# Altium PCB STM32H743VIT6.PcbDoc (continued)
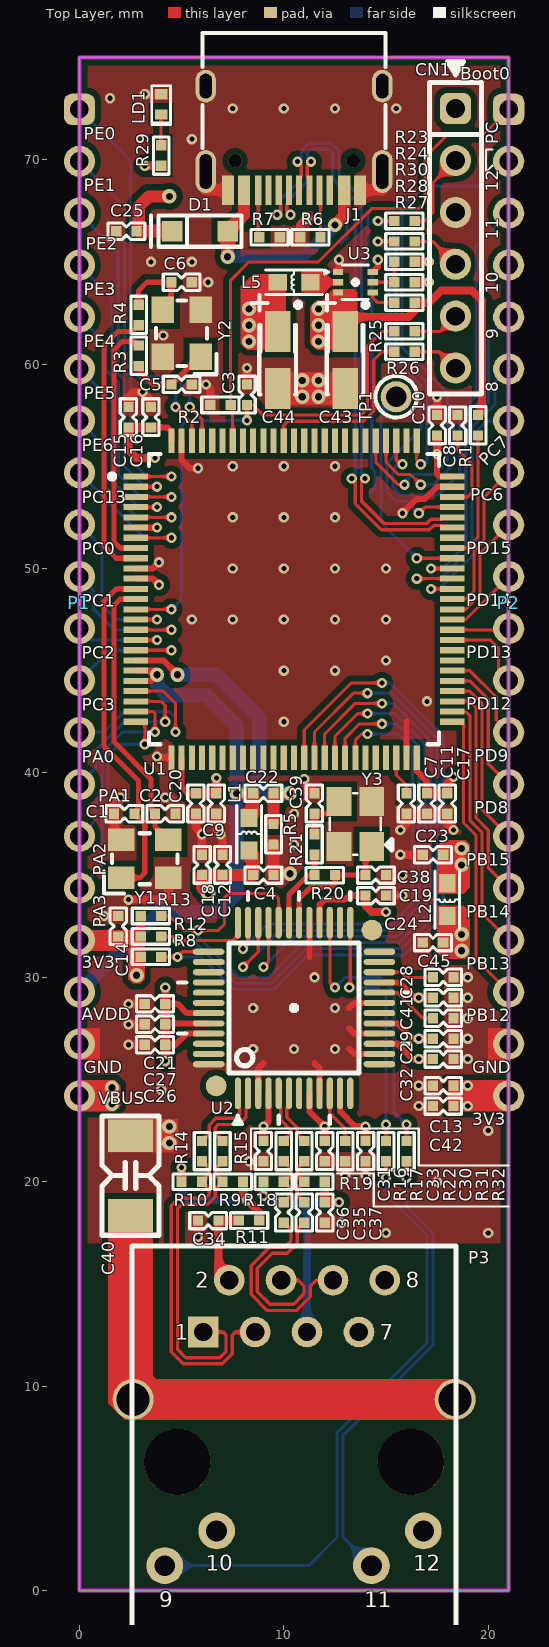
[diagram p0: Top Layer view]
## Nets (pads, with @x,y where several pads share a name; then routed paths per layer and width w, separated by ;. In a path a pad name is that pad's centre, name@x,y a point inside that pad or via, vN(x,y) a via of type N, cw(c..) or ccw(c..) an arc to the next point about the centre after c; other vN are vias at no path point)
3V3: C4.2 C9.1 C10.1 C11.1 C12.1 C13.1 C14.1 C15.1 C16.1 C17.1 C18.1 C19.1 C20.1 C21.1 C23.2 C26.1 C27.1 C42.1 C44.2 CN1.1 L1.1 L2.1 L5.2 P1.17 P2.20 P3.10 P3.12 R8.2 R12.1 R13.1 R28.2 R29.2 U1.6 U1.11 U1.27 U1.50 U1.75 U1.100 U2.28 U2.43 U2.44 U2.45 U3.6 | length 44.3
  Top Layer w0.3: U1.11 3.6,49.5 v1(3.9,49.2) ; U1.6 v1(3.8,52) ; C16.1 4.3,56.9 4.5,56.7 U1.100 ; C26.1 4.7,26.7 5.25,27.25 U2.45 ; C27.1 4.25,27.75 U2.44 ; C21.1 4.8,28.7 5.25,28.25 U2.43 ; U1.27 5,39.3 5.3,39 C20.1 ; U2.28 11.75,33.55 12,33.8 13,33.8 13.2,34 C19.1 ; U3.6 14.6,64.75 v1(14.6,65.1) ; U1.50 16.5,40.1 17,39.6 C11.1 ; v1(17.5,55.6) 17.5,54.6 17.6,54.5 U1.75
  Top Layer w0.4: R8.2 R12.1 R13.1 ; v1(3.2,69.7) R29.2 ; C16.1 C15.1 2.4,55.8 2.8,55.4 v1(3.7,55.4) ; v1(4.2,25.9) C26.1 C27.1 C21.1 v1(4.2,29.5) ; C20.1 C9.1 v1(6.7,39.753) ; C19.1 14,33.5 14.3,33.2 v1(15,33.2) ; R28.2 v1(17.1,64) ; C11.1 C17.1 18,39.5 v1(18.3,39.8) ; v1(17.5,55.6) C10.1
  Top Layer w0.6: v2(6.3,34.1) 6,34.4 C18.1 C12.1 C4.2 8.5,36 L1.1
  Bottom Layer w0.6: v1(19,23.7) v1(19,24.7)
  Bottom Layer w0.7: v2(18.7,35.5) v2(18.7,36.3)
  other v2: 2.8,30.1 8.3,61.1 8.3,61.9 8.3,62.7
3V3A: C24.2 C28.1 C29.1 C30.1 C31.1 C32.1 C33.1 L2.2 R9.2 R10.2 R11.1 U2.4 U2.8 U2.11 U2.15 U2.17 U2.21 | length 25.3
  Top Layer w0.3: v1(9,22.7) 9.25,22.95 U2.4 ; U2.8 11.25,23.45 v1(12,22.7) ; U2.11 12.75,23.45 13.5,22.7 v1(14,22.7) ; U2.15 15.55,26.75 16.3,26 v1(16.6,26) ; U2.17 15.55,27.75 16.3,27 v1(16.6,27) ; U2.21 15.65,29.75 16.4,29 v1(16.6,29)
  Top Layer w0.4: R10.2 v1(5,20.7) ; R9.2 8,19.3 v1(8.2,19.1) 8.8,18.5 R11.1 ; C31.1 v1(9,22.7) ; C33.1 v1(12,22.7) ; C30.1 v1(14,22.7) ; v1(16.6,26) C32.1 ; v1(16.6,27) C29.1 ; v1(16.6,29) C28.1
  Bottom Layer w0.4: v1(5,20.7) 5,19.5 5.4,19.1 v1(8.2,19.1)
  Bottom Layer w0.7: v2(18.7,31.3) v2(18.7,32.1)
ACTn: R32.2 U2.27 | length 14.2
  Top Layer w0.15: U2.27 12.25,29.75 v1(12.5,29.5) ; R32.2 v1(16,22.8)
  Bottom Layer w0.15: v1(12.5,29.5) 13,30 14.7,30 15.4,29.3 15.4,23.4 v1(16,22.8)
  other v1: 16,22.8
AGND: C22.2 R5.1 U1.19 | length 14.4
  Top Layer w0.3: U1.19 4.1,45.5 v2(4.8,44.8)
  Top Layer w0.6: R5.1@9.5,37.564 C22.2 v2(10.3,39)
  Bottom Layer w0.7: v2(4.8,44.8) 6.7,44.8 8.8,42.7 8.8,39.5 9.3,39 v2(10.3,39)
AVDD: C22.1 L1.2 P1.18 U1.20 U1.21 | length 27.5
  Top Layer w0.3: U1.21 3.5,44.5 v2(3.8,44.8) 3.6,45 U1.20
  Top Layer w0.6: v2(7.7,39) C22.1 8.5,38 L1.2
  Bottom Layer w0.7: P1.18 3.92,33.2 6.8,33.2 7.7,34.1 v2(7.7,39) 7.7,42.3 6.2,43.8 4.3,43.8 3.8,44.3 v2(3.8,44.8)
BOOT0: P2.1 R2.2 U1.94 | length 26.2
  Top Layer w0.15: U1.94 7.5,57.9 R2.2 7.4,58.25 7.4,64.1 8.3,65 11.7,65 14.3,67.6 16.6,67.6 16.9,67.9 16.9,70.1 18,71.2 19.74,71.2 P2.1
CHGND: C40.2 P3.S1 P3.S2 | length 15.8
  Top Layer w2: P3.S1 P3.S2
CSn: R13.2 U1.41 U2.32 | length 38.7
  Top Layer w0.15: R13.2 4.4,33 5.1,32.3 v1(5.8,32.3) 6.8,32.3 7.1,32.6 7.1,33.9 7.3,34.1 9.5,34.1 9.75,33.85 U2.32 ; U1.41 12,41.9 13.5,43.4 v1(14.8,43.4)
  Bottom Layer w0.15: v1(5.8,32.3) 5.8,32 7.8,30 9.263,30 10.963,31.7 15.651,31.7 17.2,33.249 17.2,41.551 15.351,43.4 v1(14.8,43.4)
GND: C1.1 C2.1 C3.2 C4.1 C5.2 C6.2 C7.2 C8.2 C9.2 C10.2 C11.2 C12.2 C13.2 C14.2 C15.2 C16.2 C17.2 C18.2 C19.2 C20.2 C21.2 C23.1 C24.1 C25.2 C26.2 C27.2 C28.2 C29.2 C30.2 C31.2 C32.2 C33.2 C34.1 C37.2 C38.1 C39.1 C40.1 C41.2 C42.2 C43.1 C44.1 C45.2 CN1.3 J1.1 J1.2 J1.3 J1.4 J1.A1 J1.A12 J1.B1 J1.B12 LD1.2 P1.19 P2.19 P3.8 R2.1 R5.2 R6.1 R7.1 R22.2 R30.1 U1.10 U1.26 U1.49 U1.74 U1.99 U2.3 U2.9 U2.14 U2.16 U2.19 U2.29 U2.48 U3.1 Y1.2 Y1.4 Y2.2 Y2.4 Y3.2 Y3.4 | length 83.6
  Top Layer w0.3: U1.10 3.6,50 v1(3.9,50.3) ; v1(3.8,40.8) 3.85,40.75 U1.26 ; U1.99 5,55.3 5.4,54.9 v1(5.8,54.9) ; U2.3 8.75,25.55 9,25.8 ; 11.25,31 U2.29 ; 11.5,25.8 11.75,25.55 U2.9 ; U3.1 12.7,64.55 v1(12.7,65.1) ; 13.2,26.5 13.45,26.25 U2.14 ; 13.2,27.5 13.45,27.25 U2.16 ; 13.2,28.5 13.45,28.75 U2.19 ; v1(15.8,52.7) 16.5,53.4 16.9,53.4 17.5,54 U1.74 ; U1.49 16,42.5
  Top Layer w0.4: v1(1.2,33) C14.2 ; v1(2,38.8) 1.7,38.5 C1.1 1.7,37.075 Y1.4 ; v1(2.4,27.7) C27.2 ; v1(2.4,28.7) C21.2 ; v1(2.4,33.8) 4.1,33.8 4.35,34.05 Y1.2 ; C15.2 2.4,58.4 2.633,58.633 v1(3.087,58.633) 3.5,58.221 C16.2 ; v1(3.2,73.2) LD1.2 ; v1@4.4,38.8 4.7,38.5 C2.1 ; C5.2 v1(6.2,59) 6.4,58.8 R2.1 ; C6.2 v1(6.3,64) ; C20.2 5.7,37.3 v1(6,37) C18.2 ; v1(5.8,17.3) C34.1 ; C9.2 6.7,37.2 v1(6.9,37) 7,36.9 C12.2 ; C3.2 v1(8.2,59.8) ; v1(8.3,21) C31.2 ; R7.1 R6.1 10.8,66.8 v1(11.1,67.1) ; v1(11,39.7) 11,39.5 C39.1 ; C37.2 v1(12.8,18) ; C33.2 R22.2 v1(13,20.3) ; v1(14,20.3) C30.2 ; C19.2 v1(15.8,34) ; C38.1 v1(15.8,35) ; v1(15.7,36) C23.1 ; v1(15.7,37.2) 16,37.5 C7.2 C11.2 C17.2 18,37.5 v1(18.3,37.2) ; R30.1 v1(17.1,65) ; v1(16.6,23.7) C42.2 ; v1(16.6,24.7) C13.2 ; v1(17.5,58.4) C10.2 C8.2 ; C32.2 v1(19,26) ; C29.2 v1(19,27) ; C41.2 v1(19,28) ; C28.2 v1(19,29) ; C45.2 v1(19,30) ; v1(2.4,26.7) C26.2 v1(2.4,26.7)
  Top Layer w0.5: J1.2 6.18,68.5 J1.A12 ; J1.B12 14.82,68.5 J1.3
  Top Layer w0.6: R5.2 9.5,35.064 v2(10.3,35.064)
  Bottom Layer w0.15: 12.778,67.522 13.1,67.2 13.1,66.2 12.8,65.9 ; 14.2,53.7 14.45,53.95 14.45,54.4 14.45,54.5 14.45,54.743 14.3,54.893 14.3,64.6 14.108,64.792 14.108,67.4 14.307,67.6 14.4,67.6
  other v1: 15,17.5 20,17.5 17.5,20 20,22.5 4,24.5 8.5,26.5 10.5,26.5 12.5,26.5 2.4,26.7 8.5,28.5 10.5,28.5 12.5,28.5 11.5,30 10.5,36.5 10.5,38 4.2,38.8 10,42.5 17,43.5 10,45 12.5,45 15,45.5 5.5,47.5 7.5,47.5 10,47.5 12.5,47.5 15,47.5 7.5,50 10,50 12.5,50 15,50 7.5,52.5 10,52.5 12.5,52.5 7.5,55 10,55 12.5,55 4.1,61.4 3.5,65 5.5,65 5.5,71 7.5,72.5 10,72.5 12.5,72.5 15.5,72.5 1.5,73
  other v2: 4.4,21.9 4.4,22.7 10.9,58.4 11.7,58.4 10.9,59.2 11.7,59.2
INTn: R12.2 U1.40 U2.36 | length 37.1
  Top Layer w0.15: R12.2 4.6,32 v1(4.8,31.8) 7.5,31.8 7.75,32.05 U2.36 ; U1.40 11.5,42 13.4,43.9 v1(14.1,43.9)
  Bottom Layer w0.15: v1(4.8,31.8) 5.576,31.8 7.676,29.7 9.387,29.7 11.087,31.4 15.776,31.4 17.5,33.124 17.5,41.676 15.276,43.9 v1(14.1,43.9)
LINKn: R31.2 U2.25 | length 12.3
  Top Layer w0.15: v1(13.2,29.5) 13.25,29.55 U2.25 ; R31.2 v1(15,22.8)
  Bottom Layer w0.15: v1(13.2,29.5) 14.6,29.5 15,29.1 v1(15,22.8)
MISO: U1.43 U2.34 | length 25.4
  Top Layer w0.15: v1(8,30.5) 8.75,31.25 U2.34 ; U1.43 13,41.7 13.7,42.4 v1(14.8,42.4)
  Bottom Layer w0.15: v1(8,30.5) 9.8,32.3 15.403,32.3 16.6,33.497 16.6,41.303 15.503,42.4 v1(14.8,42.4)
MOSI: U1.44 U2.35 | length 22.2
  Top Layer w0.15: v1(8,31.4) 8.25,31.65 U2.35 ; U1.44 13.5,41.6 13.8,41.9 v1(14.1,41.9)
  Bottom Layer w0.15: v1(8,31.4) 9.2,32.6 15.279,32.6 16.3,33.621 16.3,41.179 15.579,41.9 v1(14.1,41.9)
NetC5_1: C5.1 R3.1 Y2.1 | length 4.1
  Top Layer w0.25: R3.1 2.9,59.7 3.6,59 C5.1 5.85,60.35 Y2.1
NetC6_1: C6.1 R4.1 Y2.3 | length 4
  Top Layer w0.25: R4.1 2.9,63.6 3.3,64 C6.1 4.5,63.075 Y2.3
NetC7_1: C7.1 U1.48 | length 2
  Top Layer w0.15: U1.48 15.5,39.9 16,39.4 C7.1
NetC8_1: C8.1 U1.73 | length 4.1
  Top Layer w0.15: U1.73 19,53.5 19.2,53.7 19.2,55.1 18.5,55.8 C8.1
NetC34_2: C34.2 P3.2 R11.2 | length 4.1
  Top Layer w0.4: P3.2 6.8,15.715 C34.2 R11.2
NetC35_1: C35.1 R17.1 R19.2 | length 2.6
  Top Layer w0.165: C35.1 10.65,19.35 10.65,19.65 R19.2 10.95,20 10.65,20.3 10.65,20.65 R17.1
NetC35_2: C35.2 P3.4 | length 9.2
  Top Layer w0.165: P3.4 10.71,15.19 10.985,14.915 10.985,14.509 10.476,14 9.324,14 8.7,14.624 8.7,15.776 9.424,16.5 10.174,16.5 10.65,16.976 10.65,17.65 C35.2
NetC36_1: C36.1 R16.1 R18.2 | length 2.6
  Top Layer w0.165: C36.1 10.35,19.35 10.35,19.65 R18.2 10.05,20 10.35,20.3 10.35,20.65 R16.1
NetC36_2: C36.2 P3.6 | length 10.1
  Top Layer w0.165: C36.2 10.35,17.65 10.35,17.1 10.05,16.8 9.3,16.8 8.4,15.9 8.4,14.5 9.2,13.7 10.6,13.7 11.285,14.385 11.285,14.885 11.59,15.19 P3.6
NetC37_1: C37.1 P3.5 R18.1 R19.1 | length 12.6
  Top Layer w0.4: v1(9,19.3) R18.1 ; R19.1 C37.1 v1(12.7,19)
  Bottom Layer w0.4: v1(9,19.3) 9.3,19 11.135,19 ; P3.5 11.135,19 ; v1(12.7,19) 11.135,19
NetC39_2: C39.2 R21.1 Y3.3 | length 2.4
  Top Layer w0.25: R21.1 C39.2 12.1,38 Y3.3
NetC41_1: C41.1 U2.20 | length 3.1
  Top Layer w0.15: U2.20 15.55,29.25 16,28.8 16.8,28 C41.1
NetC45_1: C45.1 U2.22 | length 2.7
  Top Layer w0.15: U2.22 15.75,30.25 16,30 C45.1
NetCN1_2: CN1.2 R23.1 | length 4.1
  Top Layer w0.15: R23.1 16.9,67 17.3,67.4 17.3,68.86 CN1.2
NetCN1_4: CN1.4 R24.1 | length 2.5
  Top Layer w0.15: R24.1 17.28,66 CN1.4
NetCN1_5: CN1.5 R25.1 | length 2.3
  Top Layer w0.15: R25.1 17.66,61.6 CN1.5
NetCN1_6: CN1.6 R26.1 | length 2.3
  Top Layer w0.15: R26.1 17.6,60.6 CN1.6
NetD1_2: D1.2 J1.A4 J1.A9 J1.B4 J1.B9 | length 11.4
  Top Layer w0.6: v2(7.25,65.25) D1.2 8.05,67.3 J1.A9 ; v2(12.5,66.8) 12.95,67.25 J1.B9
  Bottom Layer w0.6: v2(7.25,65.25) 10.95,65.25 v2(12.5,66.8)
NetJ1_A5: J1.A5 R6.2 | length 2.3
  Top Layer w0.15: J1.A5 11.8,68.45 R6.2
NetJ1_B5: J1.B5 R7.2 | length 2.3
  Top Layer w0.15: J1.B5 8.75,66.25 R7.2
NetL5_1: L5.1 U3.2
NetLD1_1: LD1.1 R29.1 | length 1.5
  Top Layer w0.15: R29.1 LD1.1
NetP3_1: P3.1 R9.1 R15.1 | length 15.8
  Top Layer w0.165: P3.1 7.025,12.65 7.175,12.5 7.175,11.7 6.875,11.4 5.2,11.4 4.8,11.8 4.8,18.7 5,18.9 6.274,18.9 6.65,19.276 6.65,19.65 R9.1 6.65,20.35 6.65,20.65 R15.1
NetP3_3: P3.3 R10.1 R14.1 | length 16.8
  Top Layer w0.165: R14.1 6.35,20.65 6.35,20.35 R10.1 6.35,19.65 6.35,19.4 6.15,19.2 4.876,19.2 4.5,18.824 4.5,17.55 4.5,11.676 5.076,11.1 6.999,11.1 7.475,11.576 7.475,12.5 7.625,12.65 P3.3
NetP3_9: P3.9 R31.1 | length 30
  Top Layer w0.15: v1(15,20.2) R31.1
  Bottom Layer w0.15: P3.9 11.22,1.22 12.6,2.6 12.6,7.724 17,12.124 17,17.376 15,19.376 v1(15,20.2)
  other v1: 15,20.2
NetP3_11: P3.11 R32.1 | length 22.7
  Top Layer w0.15: v1(16,20.2) R32.1
  Bottom Layer w0.15: P3.11 12.9,2.605 12.9,7.6 17.3,12 17.3,17.5 16,18.8 v1(16,20.2)
  other v1: 16,20.2
NetR14_2: R14.2 U2.1 | length 3.7
  Top Layer w0.165: R14.2 6.35,22.35 6.35,22.774 6.676,23.1 7.676,23.1 7.85,23.274 7.85,23.6 7.75,23.7 U2.1
NetR15_2: R15.2 U2.2 | length 3.7
  Top Layer w0.165: R15.2 6.65,22.35 6.65,22.65 6.8,22.8 7.8,22.8 8.15,23.15 8.15,23.6 8.25,23.7 U2.2
NetR16_2: R16.2 U2.5 | length 2.7
  Top Layer w0.165: U2.5 9.75,23.7 9.85,23.6 9.85,23.026 10.35,22.526 10.35,22.35 R16.2
NetR17_2: R17.2 U2.6 | length 2.7
  Top Layer w0.165: U2.6 10.25,23.7 10.15,23.6 10.15,23.15 10.65,22.65 10.65,22.35 R17.2
NetR22_1: R22.1 U2.10 | length 2.6
  Top Layer w0.15: U2.10 12.25,23.35 13,22.6 R22.1
NetR27_2: R27.2 U3.4 | length 1.4
  Top Layer w0.15: U3.4 14.35,63.25 14.6,63 R27.2
NetR28_1: R28.1 R30.2 U3.5 | length 2.1
  Top Layer w0.15: U3.5 R28.1 R30.2
PA0: P1.13 U1.22 | length 9.2
  Top Layer w0.15: U1.22 4.1,44 4.7,43.4 v1(4.7,42)
  Bottom Layer w0.15: P1.13@0.337,42 1.2,42 2.2,43 4.4,43 4.7,42.7 v1(4.7,42)
PA1: P1.14 U1.23 | length 8.3
  Top Layer w0.15: U1.23 4,43.5 4.2,43.3 v1(4.2,42.5)
  Bottom Layer w0.15: P1.14 0.78,40.22 0.78,41.08 2.2,42.5 v1(4.2,42.5)
PA2: P1.15 U1.24 | length 9.4
  Top Layer w0.15: U1.24 3.6,43 3.7,42.9 v1(3.7,42)
  Bottom Layer w0.15: P1.15 0.8,37.7 0.8,38.7 1.1,39 1.1,40.976 2.124,42 v1(3.7,42)
PA3: P1.16 U1.25 | length 10.6
  Top Layer w0.15: U1.25 3.1,42.5 3.2,42.4 v1(3.2,41.4)
  Bottom Layer w0.15: P1.16 1.1,35.46 1.1,38.576 1.4,38.876 1.4,40.851 1.949,41.4 v1(3.2,41.4)
PA4: U1.28
PA5: U1.29
PA6: U1.30
PA7: U1.31
PA8: TP1.1 U1.67 | length 10.7
  Top Layer w0.15: v1(16.5,50.5) U1.67
  Bottom Layer w0.15: TP1.1 14.75,57.65 14.75,52.25 v1(16.5,50.5)
PA9: R1.2 U1.68 | length 6.4
  Top Layer w0.15: U1.68 18.96,51 19.5,51.54 19.5,53.1 19.5,55.9 R1.2
PA10: U1.69
PA11: J1.A7 J1.B7 U1.70 | length 31
  Top Layer w0.165: J1.A7 10.25,67.925 10.15,67.825 10.15,67.475 v1(10.325,67.3) ; J1.B7 11.25,69.075 11.15,69.175 11.15,69.725 v1(11.325,69.9) ; v1(13.325,54.4) 13.5,54.225 13.5,53.176 14.776,51.9 17.124,51.9 17.324,52.1 17.7,52.1 17.8,52 U1.70
  Bottom Layer w0.165: v1(10.325,67.3) 10.15,67.475 10.15,67.926 11.15,68.926 11.15,69.725 v1(11.325,69.9) 11.15,70.075 11.15,70.3 11.35,70.5 12.2,70.5 12.4,70.3 12.4,69.076 13.5,67.976 13.5,54.575 v1(13.325,54.4)
PA12: J1.A6 J1.B6 U1.71 | length 31.5
  Top Layer w0.165: v1(9.675,67.3) 9.85,67.475 9.85,67.825 9.75,67.925 J1.B6 ; v1(10.675,69.9) 10.85,69.725 10.85,69.175 10.75,69.075 J1.A6 ; v1(13.975,54.4) 13.8,54.225 13.8,53.3 14.9,52.2 17,52.2 17.2,52.4 17.7,52.4 17.8,52.5 U1.71
  Bottom Layer w0.165: v1(9.675,67.3) 9.85,67.475 9.85,68.05 10.85,69.05 10.85,69.725 v1(10.675,69.9) 10.85,70.075 10.85,70.424 11.226,70.8 12.324,70.8 12.7,70.424 12.7,69.2 13.8,68.1 13.8,54.575 v1(13.975,54.4)
PA13: R24.2 U1.72 | length 18.4
  Top Layer w0.15: v1(14.6,66) R24.2 ; v1(16.6,52.7) 16.9,53 U1.72
  Bottom Layer w0.15: v1(14.6,66) 15.176,65.424 15.176,60.5 16.7,58.976 16.7,56.8 15.05,55.15 15.05,54.374 15.05,53.75 15.5,53.3 16,53.3 v1(16.6,52.7)
PA14: R23.2 U1.76 | length 15.2
  Top Layer w0.15: v1(14.6,67) R23.2 ; U1.76 16.5,55.3 v1(16.7,55.1)
  Bottom Layer w0.15: v1(14.6,67) 15.476,66.124 15.476,60.624 17,59.1 17,55.2 16.9,55.1 v1(16.7,55.1)
PA15: U1.77
PB0: U1.34
PB1: U1.35
PB2: U1.36
PB3: R26.2 U1.89 | length 9.1
  Top Layer w0.15: U1.89 10,57 10.2,57.2 13.9,57.2 14.4,57.7 14.4,60.2 14.8,60.6 R26.2
PB4: U1.90
PB5: U1.91
PB6: U1.92
PB7: U1.93
PB8: U1.95
PB9: U1.96
PB10: U1.46
PB11: U1.47
PB12: P2.18 U1.51 | length 14.6
  Top Layer w0.15: U1.51 18.7,42.5 18.8,42.4 18.8,37.551 19.4,36.951 19.4,30.88 P2.18
PB13: P2.17 U1.52 | length 12.7
  Top Layer w0.15: U1.52 18.9,43 19.1,42.8 19.1,37.676 19.7,37.076 19.7,33.12 P2.17
PB14: P2.16 U1.53 | length 10.8
  Top Layer w0.15: U1.53 19.1,43.5 19.4,43.2 19.4,37.8 20,37.2 20,35.379 ; 20,35.36 P2.16
PB15: P2.15 U1.54 | length 8.7
  Top Layer w0.15: U1.54 19.1,44 19.7,43.4 19.7,38.2 P2.15
PC0: P1.9 U1.15 | length 8.4
  Top Layer w0.15: U1.15 v1(3.8,47.5)
  Bottom Layer w0.15: P1.9 1.1,51.04 1.1,48.2 1.8,47.5 v1(3.8,47.5)
PC1: P1.10 U1.16 | length 7.9
  Top Layer w0.15: U1.16 v1(4.5,47)
  Bottom Layer w0.15: P1.10 0.7,48.9 0.7,48 1.7,47 v1(4.5,47)
PC2: P1.11 U1.17 | length 5.1
  Top Layer w0.15: U1.17 v1(3.8,46.5)
  Bottom Layer w0.15: P1.11 0.56,46.5 v1(3.8,46.5)
PC3: P1.12 U1.18 | length 6.9
  Top Layer w0.15: U1.18 v1(4.5,46)
  Bottom Layer w0.15: P1.12 1.48,46 v1(4.5,46)
PC4: U1.32
PC5: U1.33
PC6: P2.8 U1.63 | length 7.7
  Top Layer w0.15: U1.63 18.9,48.5 19.3,48.9 19.3,50.877 19.8,51.377 19.8,53.48 20.31,53.99 P2.8
PC7: P2.7 U1.64 | length 11.7
  Top Layer w0.15: v1(17.2,49) U1.64
  Bottom Layer w0.15: v1(17.2,49) 17.6,49 19.5,50.9 19.5,56.776 19.944,57.22 P2.7
PC8: P2.6 U1.65 | length 14.6
  Top Layer w0.15: v1(16.5,49.5) U1.65
  Bottom Layer w0.15: v1(16.5,49.5) 17.676,49.5 19.2,51.024 19.2,56.9 20.32,58.02 20.32,59.08 P2.6
PC9: P2.5 U1.66 | length 15.2
  Top Layer w0.15: v1(17.2,50) U1.66
  Bottom Layer w0.15: v1(17.2,50) 17.751,50 18.9,51.149 18.9,57.024 20,58.124 20,61.3 P2.5
PC10: P2.4 U1.78 | length 17.8
  Top Layer w0.15: U1.78 15.5,55.3 15.7,55.1 v1(15.8,55.1)
  Bottom Layer w0.15: v1(15.8,55.1) 15.6,55.1 15.35,54.85 15.35,53.95 15.7,53.6 17.549,53.6 18.6,54.651 18.6,57.2 19.7,58.3 19.7,63.54 P2.4
PC11: P2.3 U1.79 | length 18.6
  Top Layer w0.15: U1.79 15,55.2 15.6,54.6 16.2,54.6 v1(16.7,54.1)
  Bottom Layer w0.15: v1(16.7,54.1) 17.3,54.1 18.3,55.1 18.3,57.324 19.4,58.424 19.4,65.78 P2.3
PC12: P2.2 U1.80 | length 25
  Top Layer w0.15: U1.80 14.5,55.2 15.6,54.1 v1(15.9,54.1)
  Bottom Layer w0.15: v1(15.9,54.1) 15.9,54.2 16.3,54.6 17.3,54.6 18,55.3 18,58.6 17.3,59.3 15.776,60.824 15.776,67.576 16.91,68.71 19.79,68.71 P2.2
PC13: P1.8 U1.7 | length 7.6
  Top Layer w0.15: U1.7 v1(4.5,51.5)
  Bottom Layer w0.15: P1.8 1,53.68 3.18,51.5 v1(4.5,51.5)
PC14: R3.2 U1.8 | length 12
  Top Layer w0.25: U1.8 2,51 1.7,51.3 1.7,60.7 2.1,61.1 2.7,61.1 R3.2
PC15: R4.2 U1.9 | length 13.7
  Top Layer w0.25: U1.9 1.8,50.5 1.2,51.1 1.2,60.907 1.893,61.6 2.6,61.6 R4.2
PD0: U1.81
PD1: U1.82
PD2: U1.83
PD3: U1.84
PD4: U1.85
PD5: U1.86
PD6: U1.87
PD7: U1.88
PD8: P2.14 U1.55 | length 6.7
  Top Layer w0.15: U1.55 19.1,44.5 20,43.6 20,40.44 P2.14
PD9: P2.13 U1.56 | length 4.7
  Top Layer w0.15: U1.56 19.1,45 20.39,43.71 20.39,42.59 P2.13
PD10: U1.57
PD11: U1.58
PD12: P2.12 U1.59 | length 4.2
  Top Layer w0.15: U1.59 20.1,46.5 20.5,46.1 20.5,45.02 P2.12
PD13: P2.11 U1.60 | length 2.4
  Top Layer w0.15: U1.60 P2.11@20.625,47
PD14: P2.10 U1.61 | length 3.6
  Top Layer w0.15: U1.61 18.9,47.5 19.1,47.7 19.9,48.5 P2.10
PD15: P2.9 U1.62 | length 5.7
  Top Layer w0.15: U1.62 18.9,48 19.6,48.7 19.6,50.74 P2.9
PE0: P1.1 U1.97 | length 19.5
  Top Layer w0.15: v1(5.4,57.9) 6,57.3 U1.97
  Bottom Layer w0.15: P1.1 2.5,69.96 2.5,60.2 3.3,59.4 4.6,59.4 5.4,58.6 v1(5.4,57.9)
PE1: P1.2 U1.98 | length 16.7
  Top Layer w0.15: v1(4.7,57.9) 5.5,57.1 U1.98
  Bottom Layer w0.15: P1.2 2.2,67.72 2.2,60.076 3.176,59.1 4.4,59.1 4.7,58.8 v1(4.7,57.9)
PE2: P1.3 U1.1 | length 17.2
  Top Layer w0.15: U1.1 v1(4.5,54.5)
  Bottom Layer w0.15: P1.3 1.9,65.48 1.9,59.951 2.5,59.351 2.5,55.3 3.3,54.5 v1(4.5,54.5)
PE3: P1.4 U1.2 | length 13.8
  Top Layer w0.15: U1.2 v1(3.8,54)
  Bottom Layer w0.15: P1.4 1.6,63.24 1.6,59.827 2.2,59.227 2.2,55 3.2,54 v1(3.8,54)
PE4: P1.5 U1.3 | length 13.3
  Top Layer w0.15: U1.3 v1(4.5,53.5)
  Bottom Layer w0.15: P1.5 1.3,61 1.3,59.703 1.9,59.103 1.9,54.6 3,53.5 v1(4.5,53.5)
PE5: P1.6 U1.4 | length 9.9
  Top Layer w0.15: U1.4 v1(3.8,53)
  Bottom Layer w0.15: P1.6 1,58.76 1.304,58.456 1.6,58.16 1.6,54.3 2.9,53 v1(3.8,53)
PE6: P1.7 U1.5 | length 9.3
  Top Layer w0.15: U1.5 v1(4.5,52.5)
  Bottom Layer w0.15: P1.7 1.3,55.92 1.3,54 2.8,52.5 v1(4.5,52.5)
PE7: U1.37
PE8: U1.38
PE9: R8.1 U1.39 U2.37 | length 36.6
  Top Layer w0.15: R8.1 v1(4.8,31) 5.05,31.25 U2.37 ; U1.39 11,42.1 13.3,44.4 v1(14.8,44.4)
  Bottom Layer w0.15: v1(4.8,31) 5.951,31 7.551,29.4 9.512,29.4 11.212,31.1 15.9,31.1 17.8,33 17.8,41.8 15.2,44.4 v1(14.8,44.4)
PE12: U1.42 U2.33 | length 25.9
  Top Layer w0.15: v1(9,30.5) 9.25,30.75 U2.33 ; U1.42 12.5,41.8 13.6,42.9 v1(14.1,42.9)
  Bottom Layer w0.15: v1(9,30.5) 10.5,32 15.527,32 16.9,33.373 16.9,41.427 15.427,42.9 v1(14.1,42.9)
PE15: U1.45
PH0: C1.2 U1.12 Y1.1 | length 17.3
  Top Layer w0.25: Y1.1 2.975,34.875 3.2,35.1 3.2,37.5 C1.2 2.9,38.2 2.9,39.6 1.2,41.3 1.2,48.4 1.8,49 U1.12
PH1: C2.2 U1.13 Y1.3 | length 13.7
  Top Layer w0.25: U1.13 2,48.5 1.7,48.2 1.7,41.507 3.5,39.707 3.5,38.2 C2.2 3.7,37.375 Y1.3
T_NRST: C3.1 R25.2 U1.14 | length 25.9
  Top Layer w0.15: U1.14 v1(4.5,48) ; v1(8.2,57.247) C3.1 8.5,58 9,57.5 13.776,57.5 14.1,57.824 14.1,60.9 14.8,61.6 R25.2
  Bottom Layer w0.15: v1(4.5,48) 5,48.5 5,57 5.247,57.247 v1(8.2,57.247)
VBUS: C25.1 C43.2 D1.1 P1.20 R1.1 R27.1 U3.3 | length 18.6
  Top Layer w0.4: C43.2 13,62.3 16.1,62.3 16.4,62.6 R27.1 17.1,63 17.7,63.6 19.2,63.6 19.7,63.1 19.7,59 19.7,57.7 R1.1
  Top Layer w0.6: v2(4.4,68.2) 3.4,68.2 2.9,67.7 2.9,66.5 D1.1
  other v2: 1.6,23.8 1.6,24.6 11.7,61.1 11.7,61.9 11.7,62.7
XI: C38.2 R20.1 U2.30 Y3.1 | length 6.7
  Top Layer w0.25: U2.30 10.75,33.85 11.3,34.4 12.3,34.4 12.5,34.6 R20.1 C38.2 14,36.1 Y3.1
XO: R20.2 R21.2 U2.31 | length 4
  Top Layer w0.25: U2.31 10.25,34.05 11.2,35 R20.2 R21.2
pads on no net: J1.0 J1.A8 J1.B8 P3.0 P3.7 U2.0 U2.7 U2.12 U2.13 U2.18 U2.23 U2.24 U2.26 U2.38 U2.39 U2.40 U2.41 U2.42 U2.46 U2.47

## Polygon pours and split planes (outlines as drawn)
GND on Bottom Layer "GND_L04_P001" (solid, remove dead copper, pour order 1): 0,17 21,17 21,75 0,75
GND on Top Layer "GND_L01_P000" (solid, remove dead copper, pour order 0): 0,17 21,17 21,75 0,75
3V3 on Internal Plane 2 (Vcc) (split plane): 20.49,0.51 0.51,0.51 0.51,22.749 2.3,22.749 2.339,22.754 2.376,22.769 2.407,22.793 2.431,22.824 2.446,22.861 2.451,22.9 2.451,31.849 5.9,31.849 5.939,31.854 5.976,31.869 6.007,31.893 6.031,31.924 6.046,31.961 6.051,32 6.051,39.2 6.046,39.239 6.031,39.276 6.007,39.307 5.976,39.331 5.939,39.346 5.9,39.351 3.551,39.351 3.551,59.7 6.5,59.7 6.5,63.249 10.849,63.249 10.849,60.3 10.854,60.261 10.869,60.224 10.893,60.193 10.924,60.169 10.961,60.154 11,60.149 12.8,60.149 12.839,60.154 12.876,60.169 12.907,60.193 12.931,60.224 12.946,60.261 12.951,60.3 12.951,66.9 12.946,66.939 12.935,66.965 12.931,66.976 12.907,67.007 12.876,67.031 12.865,67.035 12.839,67.046 12.8,67.051 12.761,67.046 12.739,67.037 12.724,67.031 12.693,67.007 12.637,66.951 5.151,66.951 5.151,68.8 5.146,68.839 5.131,68.876 5.107,68.907 5.076,68.931 5.039,68.946 5,68.951 0.51,68.951 0.51,74.49 20.49,74.49
3V3A on Internal Plane 2 (Vcc) (split plane): 19.049,30.751 17.3,30.751 17.261,30.746 17.224,30.731 17.193,30.707 17.169,30.676 17.154,30.639 17.149,30.6 17.149,18.751 7.651,18.751 7.651,23.249 14.4,23.249 14.439,23.254 14.476,23.269 14.507,23.293 14.531,23.324 14.546,23.361 14.551,23.4 14.551,32.549 19.049,32.549
VBUS on Internal Plane 2 (Vcc) (split plane): 4.849,66.8 4.854,66.761 4.869,66.724 4.893,66.693 4.924,66.669 4.961,66.654 5,66.649 12.649,66.649 12.649,60.451 11.151,60.451 11.151,63.4 11.146,63.439 11.131,63.476 11.107,63.507 11.076,63.531 11.039,63.546 11,63.551 3.4,63.551 3.361,63.546 3.324,63.531 3.293,63.507 3.269,63.476 3.254,63.439 3.249,63.4 3.249,39.2 3.254,39.161 3.269,39.124 3.293,39.093 3.324,39.069 3.361,39.054 3.4,39.049 5.749,39.049 5.749,32.151 2.3,32.151 2.261,32.146 2.224,32.131 2.193,32.107 2.169,32.076 2.154,32.039 2.149,32 2.149,23.051 0.51,23.051 0.51,68.649 4.849,68.649
GND on Internal Plane 1 (Gnd) (split plane): 20.49,0.51 0.51,0.51 0.51,74.49 20.49,74.49

## Keep-outs
Keep-Out Layer:
  the board outline again, w0.2
  text ".Layer_Name" at 9.398,80.5 h1.52

## Other copper
Top Layer:
  region net VBUS: 0,23.438 0,24.962 1.738,24.962 2,24.7 2,23.7 1.738,23.438
  region net GND: 0,25.978 0,27.502 1,27.502 1,25.978
  region net GND: 21,27.502 21,25.978 20,25.978 20,27.502
  region net GND: 1.4,23.05 4.8,23.05 4.8,21.45 1.4,21.45
  region net CHGND: 3.6,10.5 3.8,10.3 3.8,8.35 2.211,8.35 1.4,9.161 1.4,19.15 3.6,19.15
  region net 3V3: 21,24.962 21,23.438 18.05,23.438 18.05,24.962
  region net 3V3: 2.4,31.3 2.4,29.9 2.6,29.7 3,29.7 3.2,29.9 3.2,31.3 3.2,32.3 0,32.3 0,31.3
  region net 3V3: 18.9,36.7 19.1,36.5 19.1,34.4 18.8,34.1 17.5,34.1 17.5,36.4 17.8,36.7
  region net 3V3A: 18.9,30.9 19.1,31.1 19.1,33.2 18.8,33.5 17.5,33.5 17.5,31.2 17.8,30.9
  region net GND: 10,58 12.5,58 12.5,59.6 10,59.6
  region net NetL5_1: 12.9,63.85 12.35,63.85 11.9,63.4 11,63.4 10.855,63.545 10.855,64.455 11,64.6 11.9,64.6 12.35,64.15 12.9,64.15
  region net VBUS: 11.6,60.7 11.3,61 11.3,62.8 11.6,63.1 11.85,63.1 12.4,63.65 13.45,63.65 13.6,63.5 13.6,60.7
  region net 3V3: 8.2,60.7 7.9,61 7.9,63.8 8.5,64.4 10.1,64.4 10.1,60.7
  text ".Layer_Name" at 9.398,80.5 h1.52
Bottom Layer:
  pour cut-out: 15.5,53 16.1,53 16.1,52.4 15.5,52.4
  pour cut-out: 2.787,58.933 3.387,58.933 3.387,58.333 2.787,58.333
  pour cut-out: 3.6,50.6 4.2,50.6 4.2,50 3.6,50
  region net VBUS: 0,23.438 0,24.962 1.738,24.962 2,24.7 2,23.7 1.738,23.438
  region net GND: 21,27.502 21,25.978 20,25.978 20,27.502
  region net GND: 0,25.978 0,27.502 1,27.502 1,25.978
  region net 3V3: 8.2,60.7 7.9,61 7.9,62.8 8.2,63.1 8.4,63.1 8.7,62.8 8.7,61 8.4,60.7
  region net VBUS: 11.6,60.7 11.3,61 11.3,62.8 11.6,63.1 11.8,63.1 12.1,62.8 12.1,61 11.8,60.7
  text ".Layer_Name" at 9.398,80.5 h1.52
Internal Plane 1 (Gnd) (plane layer: these items are gaps in the copper):
  text ".Layer_Name" at 9.4,80.5 h1.52
Internal Plane 2 (Vcc) (plane layer: these items are gaps in the copper):
  pour cut-out: 6.5,63.3 3.5,63.3 3.5,59.7 6.5,59.7
  pour cut-out: 14.9,39.3 12.1,39.3 12.1,35.7 14.9,35.7
  pour cut-out: 5,34.3 5,37.3 1.4,37.3 1.4,34.3
  lines w0.3: 0,22.9 2.3,22.9 2.3,32 5.9,32 5.9,39.2 3.4,39.2 3.4,63.4 11,63.4 11,60.3 12.8,60.3 12.8,66.9 12.7,66.8 5,66.8 5,68.8 0,68.8 ; 7.5,18.6 17.3,18.6 17.3,30.6 19.2,30.6 19.2,32.7 14.4,32.7 14.4,23.4 7.5,23.4 7.5,18.6
  text ".Layer_Name" at 9.4,80.5 h1.52

## Silkscreen, mask and mechanical layers (free items; w line width, h text height)
Top Overlay:
  lines w0.1: 8.4,20.6 8.4,22.6 16.6,22.6 16.6,20.8 21,20.8 ; 12.6,20.4 14.4,20.4 14.4,18.8 21,18.8 ; 20.2,69.7 19.9,69.4 19.9,70.5 20.2,70.5
  text ".Layer_Name" at 9.398,80.532 h1.52
  text "Boot0" at 18.62,73.9 h0.6
  text "PE0" at 0.22,70.98 h0.6
  text "PC" at 20.5,70.76 h0.6 r90
  text "PE1" at 0.22,68.44 h0.6
  text "12" at 20.5,68.42 h0.6 r90
  text "11" at 20.5,66.08 h0.6 r90
  text "PE2" at 0.32,65.6 h0.6
  text "10" at 20.5,63.44 h0.6 r90
  text "PE3" at 0.22,63.36 h0.6
  text "9" at 20.5,61.2 h0.6 r90
  text "PE4" at 0.22,60.82 h0.6
  text "8" at 20.5,58.62 h0.6 r90
  text "PE5" at 0.22,58.28 h0.6
  text "PE6" at 0.12,55.74 h0.6
  text "PC7" at 19.897,54.973 h0.6 r45
  text "PC6" at 19.12,53.3 h0.6
  text "PC13" at 0.12,53.2 h0.6
  text "PD15" at 18.92,50.7 h0.6
  text "PC0" at 0.12,50.66 h0.6
  text "PD14" at 18.92,48.16 h0.6
  text "PC1" at 0.12,48.12 h0.6
  text "PD13" at 18.92,45.62 h0.6
  text "PC2" at 0.12,45.58 h0.6
  text "PD12" at 18.92,43.08 h0.6
  text "PC3" at 0.12,43.04 h0.6
  text "PD9" at 19.32,40.54 h0.6
  text "PA0" at 0.12,40.5 h0.6
  text "PA1" at 0.92,38.6 h0.6
  text "PD8" at 19.32,38 h0.6
  text "PB15" at 18.92,35.46 h0.6
  text "PA2" at 1.3,34.96 h0.6 r90
  text "PB14" at 18.92,32.92 h0.6
  text "PA3" at 1.3,32.42 h0.6 r90
  text "3V3" at 0.12,30.44 h0.6
  text "PB13" at 18.92,30.38 h0.6
  text "AVDD" at 0.12,27.9 h0.6
  text "PB12" at 18.92,27.84 h0.6
  text "GND" at 0.22,25.3 h0.6
  text "GND" at 19.22,25.3 h0.6
  text "VBUS" at 0.92,23.8 h0.6
  text "3V3" at 19.22,22.76 h0.6
Bottom Overlay:
  drawing of 6 lines, arcs and shapes, not listed
  text ".Layer_Name" at 9.398,80.5 h1.52
  text "3V3" at 16.98,72.2 h0.6
  text "TCK" at 17.38,69.66 h0.6
  text "GND" at 16.98,67.12 h0.6
  text "TMS" at 16.98,64.58 h0.6
  text "NRST" at 16.98,62.04 h0.6
  text "SWO" at 16.98,59.5 h0.6
Top Paste:
  text ".Layer_Name" at -34.602,1.5 h1.52
Bottom Paste:
  text ".Layer_Name" at -34.602,1.5 h1.52
Top Solder:
  text ".Layer_Name" at 9.398,80.5 h1.52
Bottom Solder:
  text ".Layer_Name" at 9.398,80.5 h1.52
Drill Guide:
  text ".Layer_Name" at 9.398,80.5 h1.52
Mechanical 2:
  lines w0.127: 26.5,16.1 70,16.1 ; 25.5,4.875 ccw(c26.211,4.875) 26.211,4.164 70.389,4.164 ccw(c70.389,4.875) 71.1,4.875 71.1,23.003 ccw(c70.389,23.003) 70.389,23.714 26.211,23.714 ccw(c26.211,23.003) 25.5,23.003 25.5,4.875
  lines w0.2: 0,0 0,75 21,75 21,0 0,0
  text "BOARD NAME : STM32H743VIT6" at 0,91.676 h1.52
  text "VERSION :" at 0,88.882 h1.52
  text "SIZE : 21mmX75mmX1.0T" at 0,86.088 h1.52
  text "GERBER DATE : 2024. 01. 15." at 0,83.294 h1.52
  text "LAYER :" at 0,80.5 h1.52
  text "Layer Stack Up Detail for:" at 26.9,21.6 h1.02
  text "STM32H743VIT6.PcbDoc" at 27,19.1 h1.2
  text "Layer Name : 4L  1.6T" at 26.973,17.118 h1.02
  text "100 Ohm" at 59,17.1 h1.02
  text "01.Top Layer" at 27,13.1 h1.52
  text "0.165 / 0.135" at 55,13.1 h1.52
  text "02.Internal Plane 1 (Gnd)" at 27,10.6 h1.52
  text "03.Internal Plane 2 (Vcc)" at 27,8.1 h1.52
  text "02.Bottom Layer" at 27,5.6 h1.52
  text "0.165 / 0.135" at 55,5.6 h1.52
  text "KS Technology artwork" at 25.5,0.1 h5.08
Drill Drawing:
  text ".Layer_Name" at 9.398,80.5 h1.52
  text ".Legend" at 25.7,25.1 h1.02

## Dimensions
-2,0 to -2,75 on Mechanical 2
21,-2.5 to 0,-2.5 on Mechanical 2

## Text inside footprints (layer, text, board x,y; h text height)
P3: Top Overlay "9" at 3.896,-0.812 h0.76; Top Overlay "10" at 6.182,0.966 h0.76; Top Overlay "11" at 13.929,-0.812 h0.76; Top Overlay "12" at 16.342,0.966 h0.76; Top Overlay "1" at 4.658,12.269 h0.76; Top Overlay "2" at 5.674,14.809 h0.76; Top Overlay "8" at 15.961,14.809 h0.76; Top Overlay "7" at 14.691,12.269 h0.76